# Altium PCB MATEKH743.PcbDoc (part 1 of 2)
Units mil, origin at the board's own origin, x right, y up, seen from the top; angles counter-clockwise.
Board outline 1417.32 x 1417.32 mil, 4 copper layers (Top Layer, GND, Power, Bottom Layer), stack 23.756 mil thick; 175 components, 127 nets, 521 pads, 215 vias.
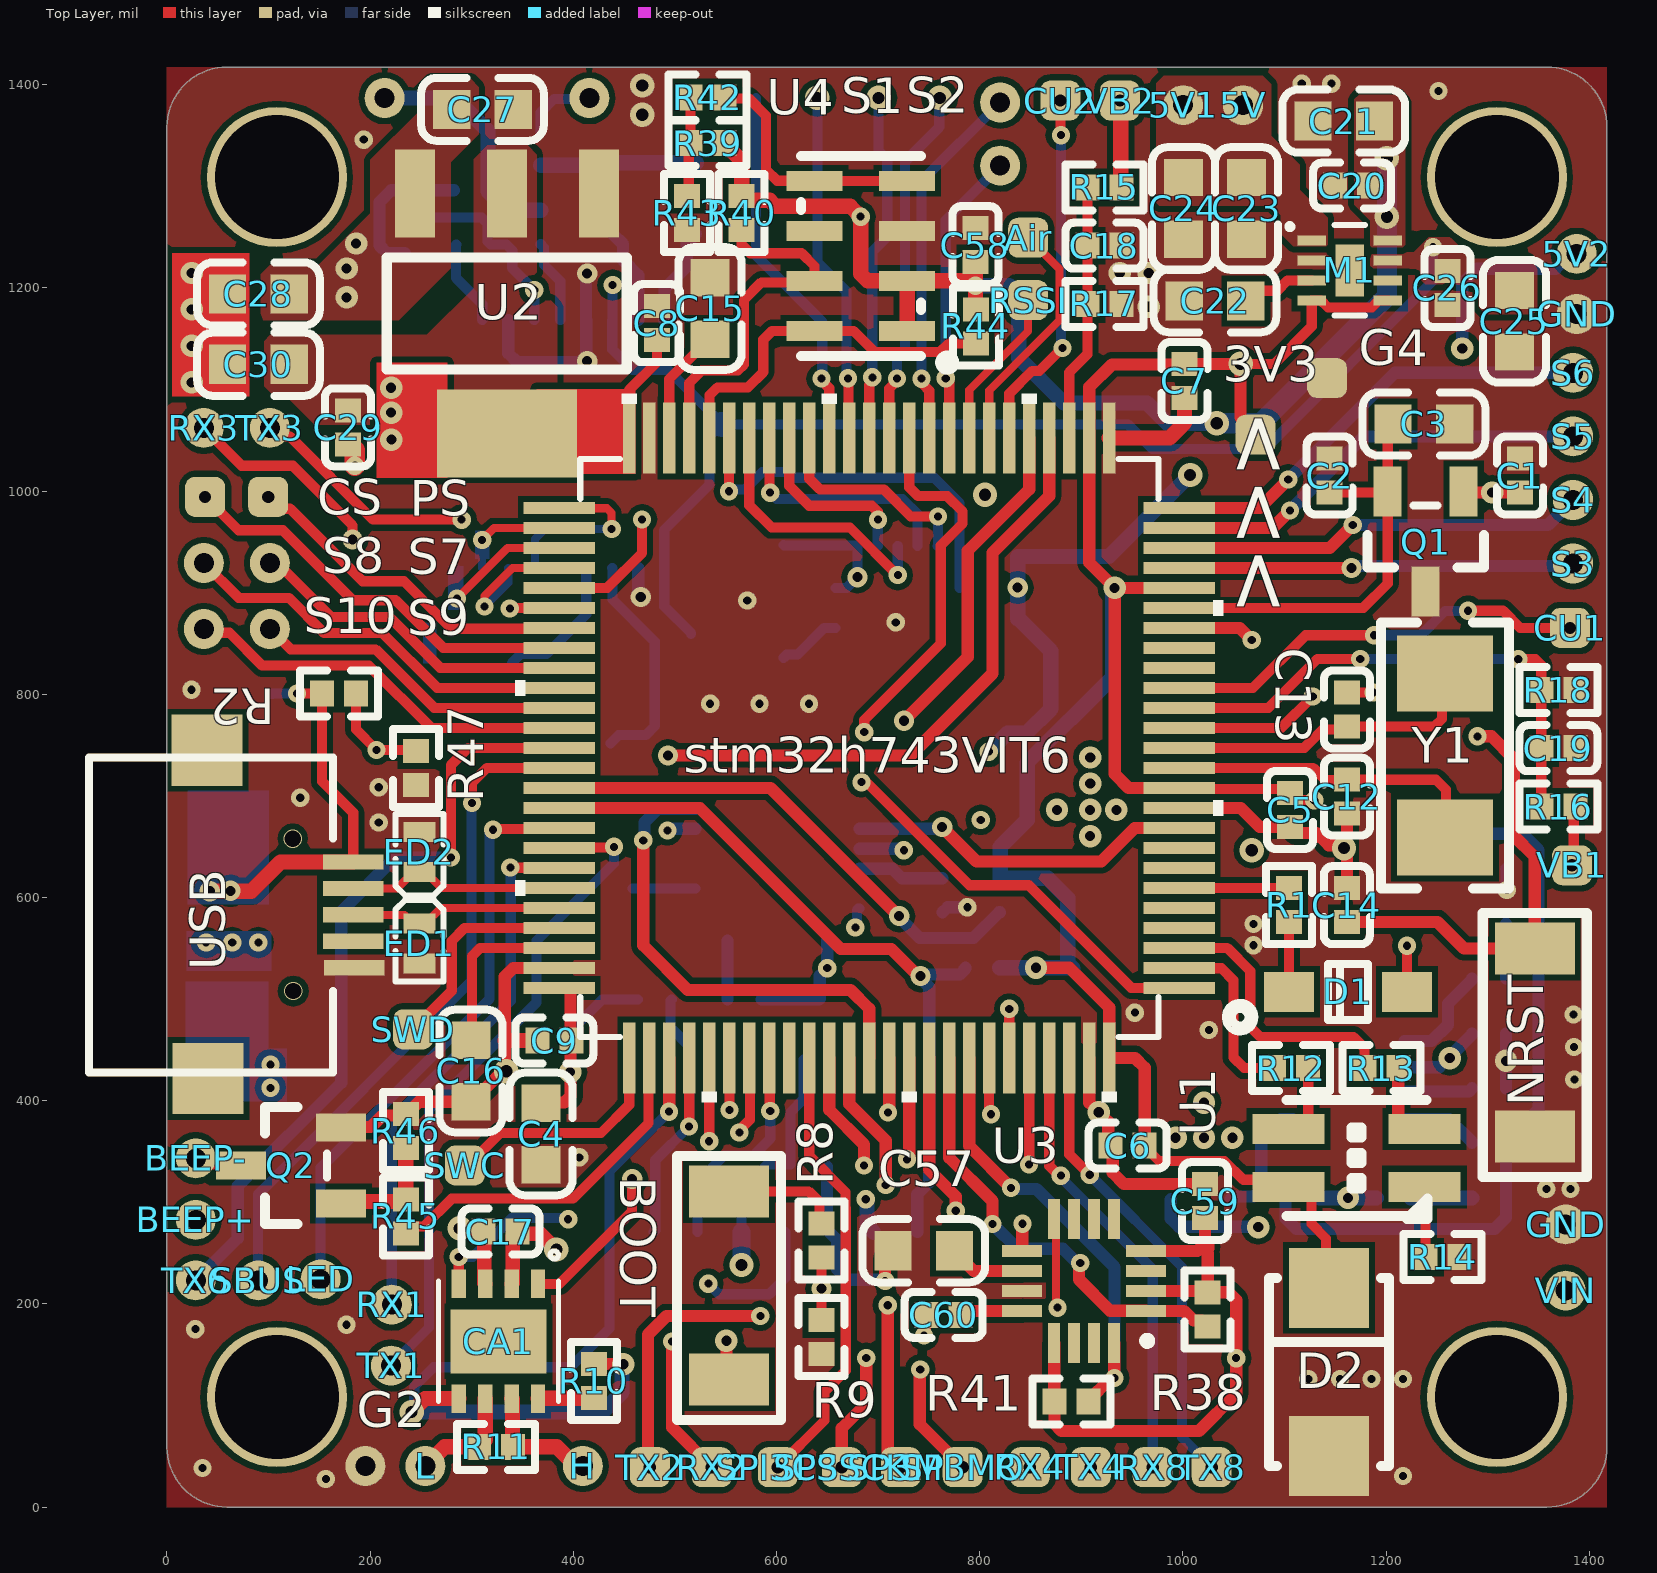
[diagram p0: Top Layer view]
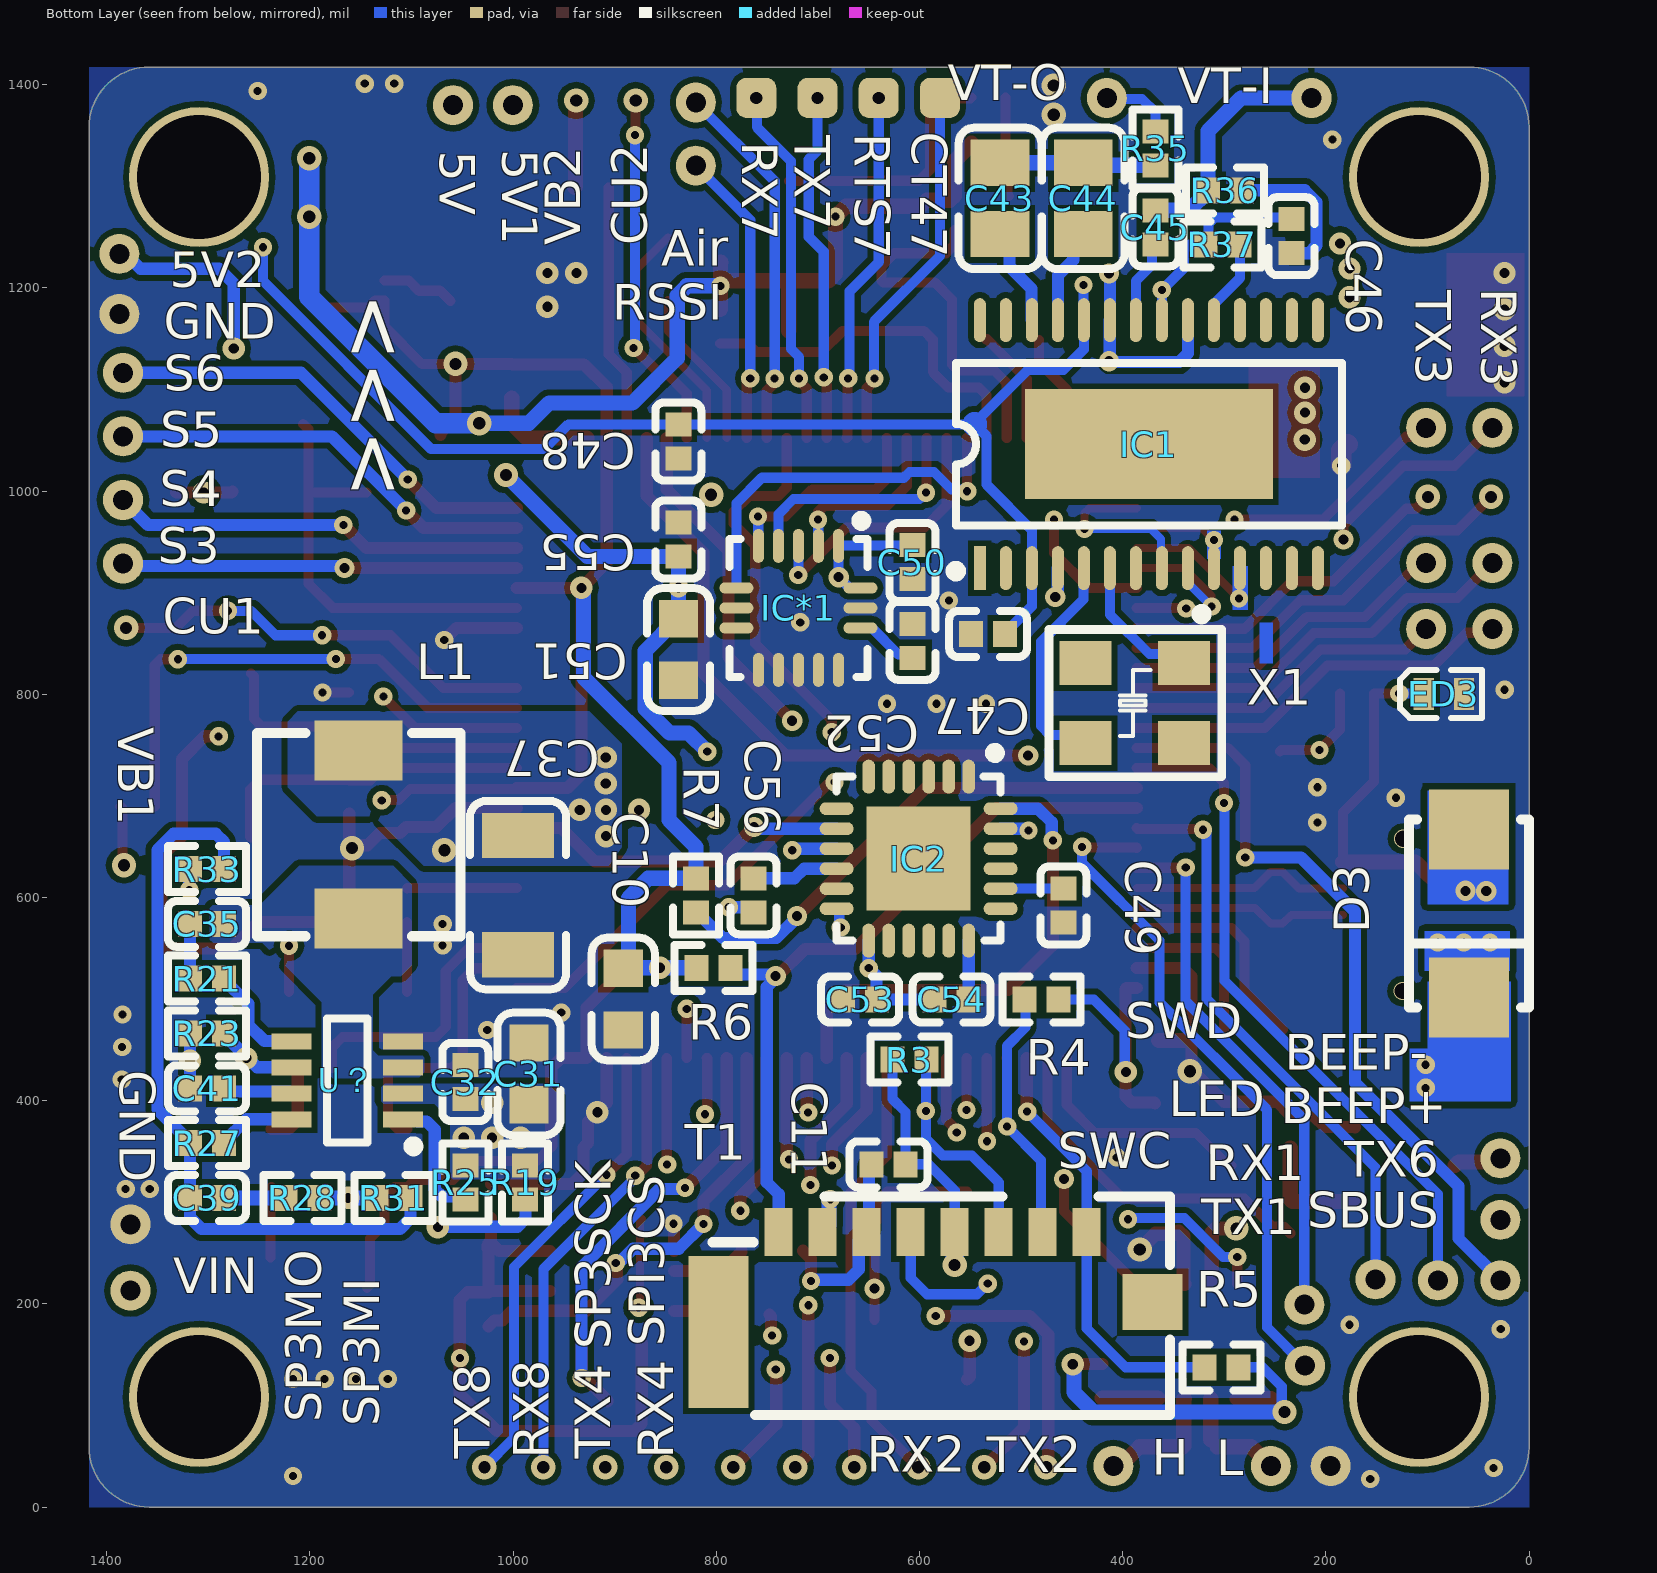
[diagram p1: Bottom Layer view, seen from below]
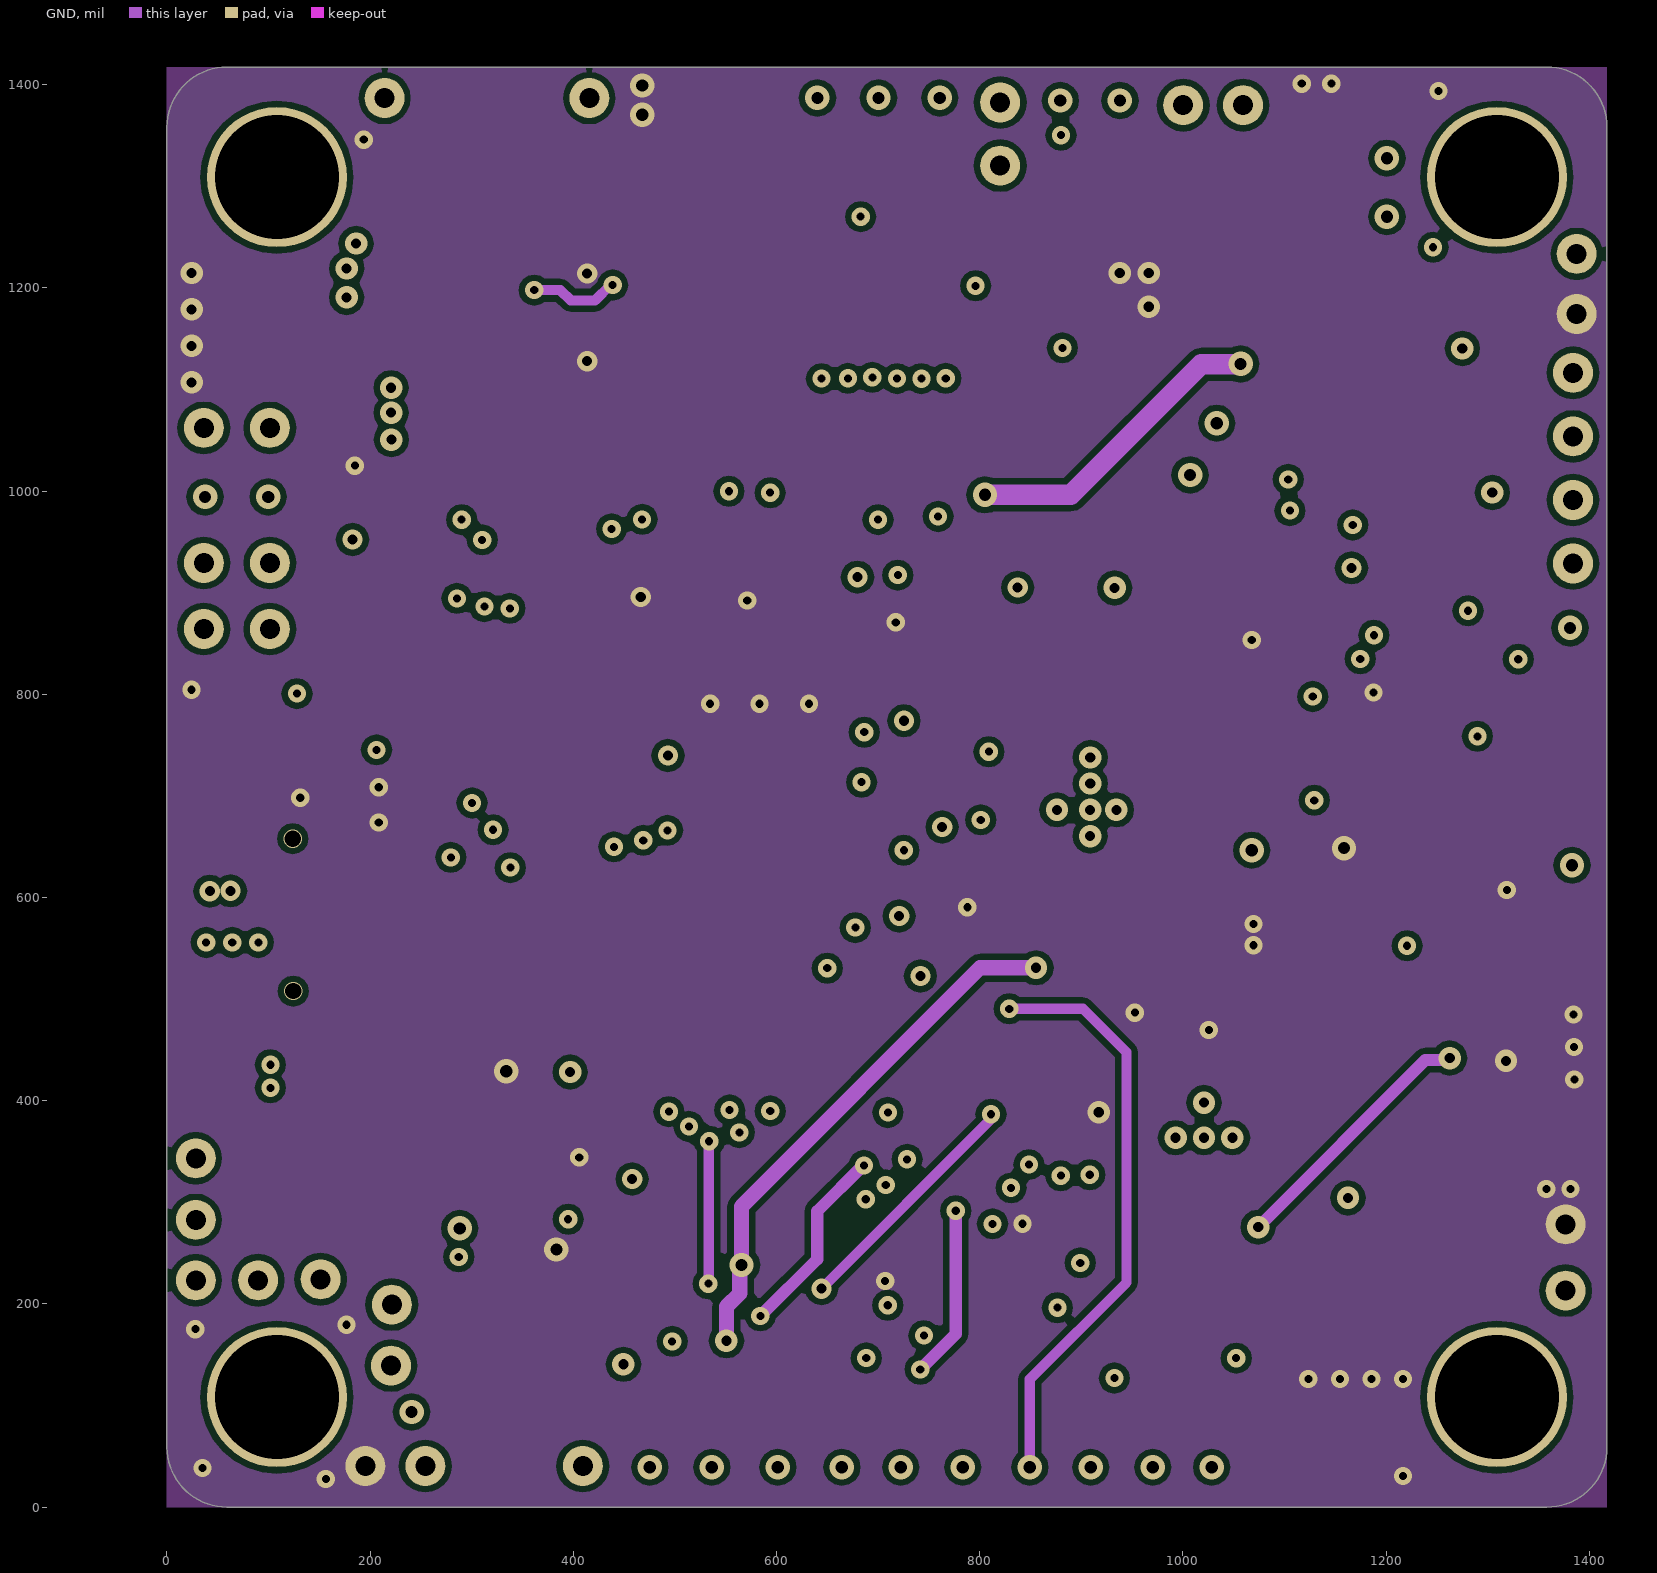
[diagram p2: GND]
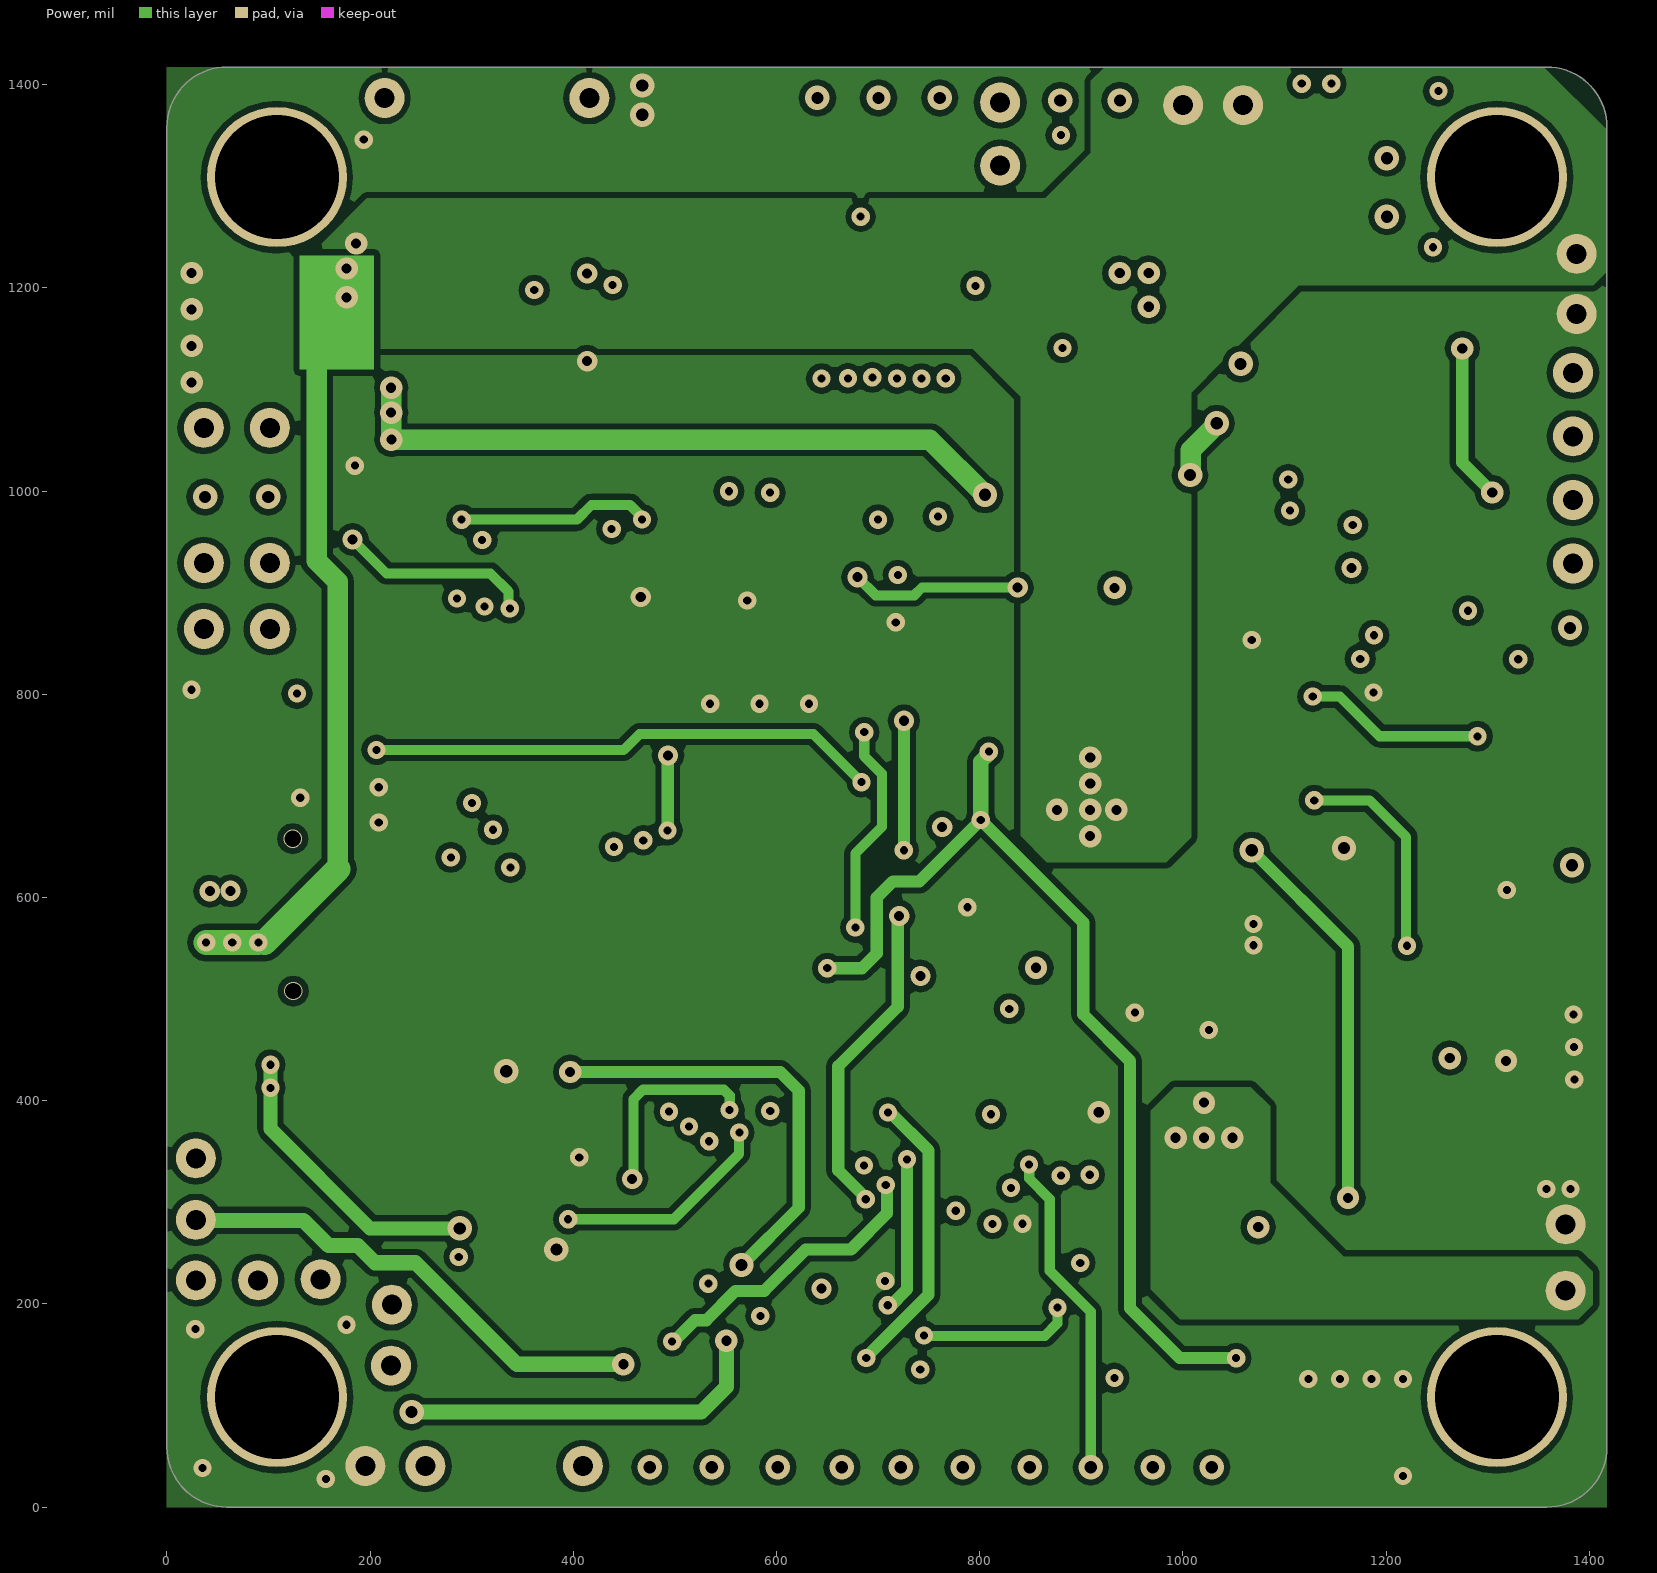
[diagram p3: Power]
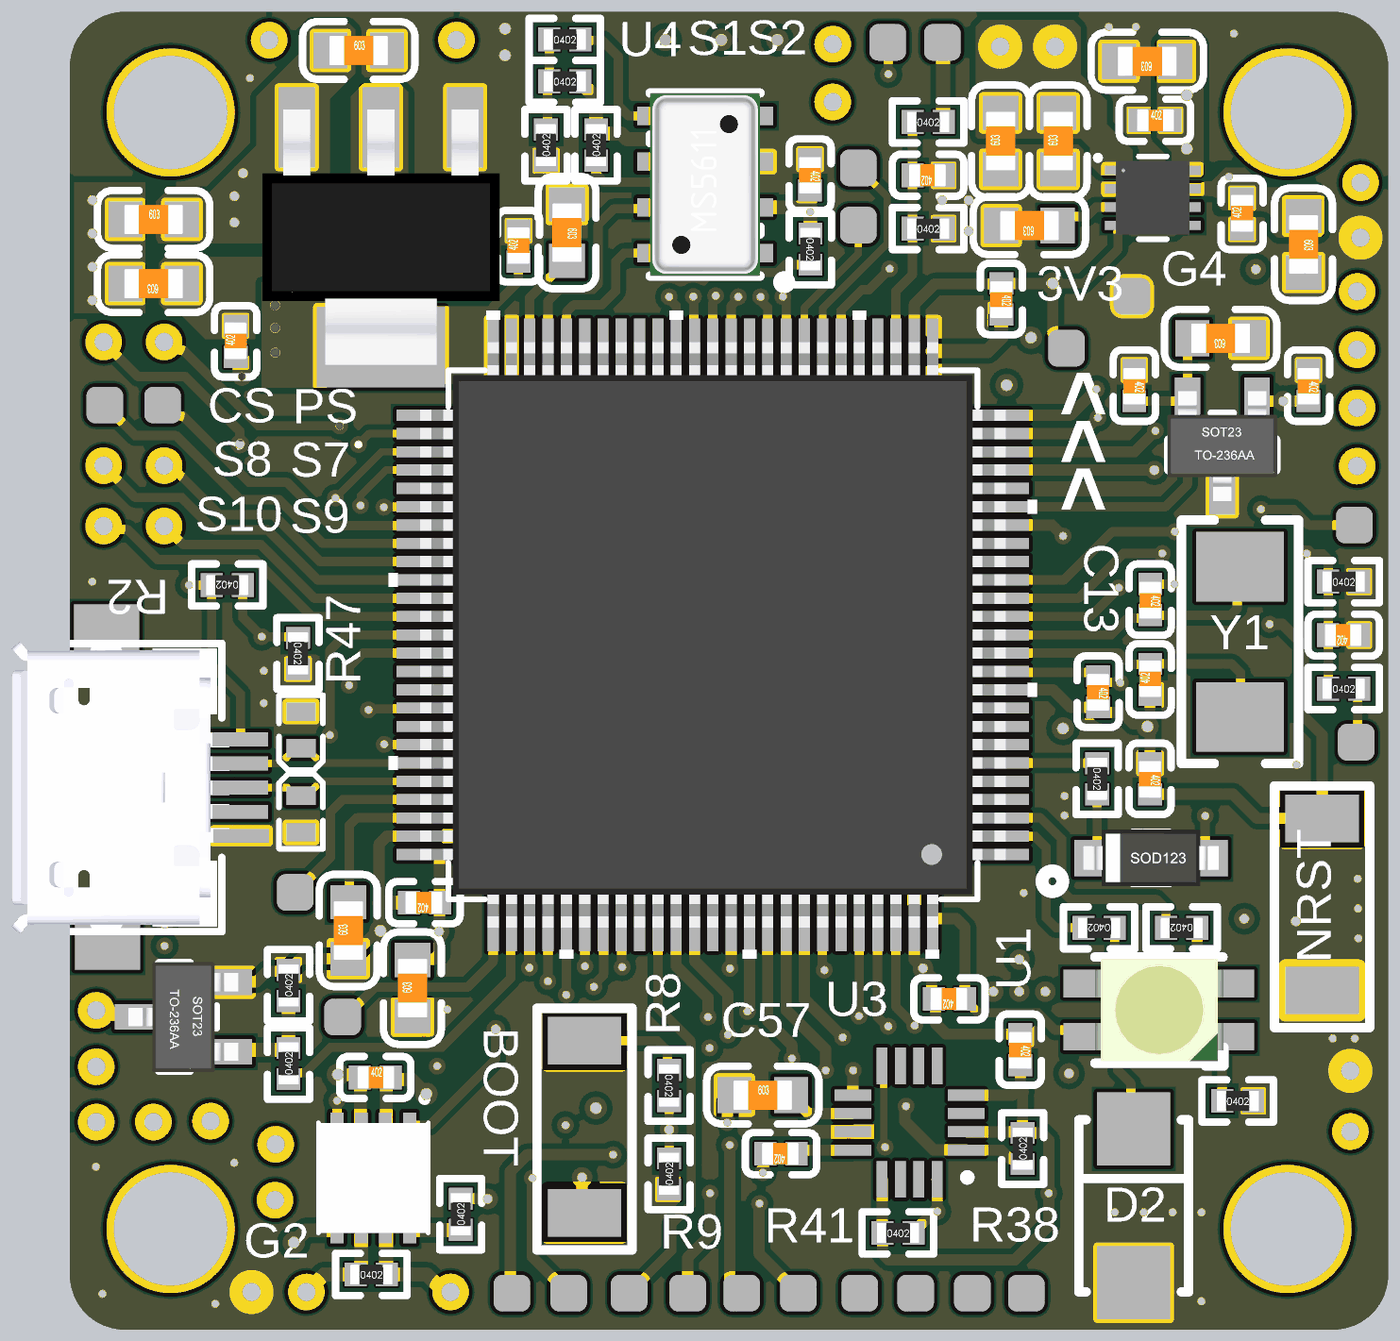
[diagram p5: 3D render of the assembled board from above, using the file's embedded part models]
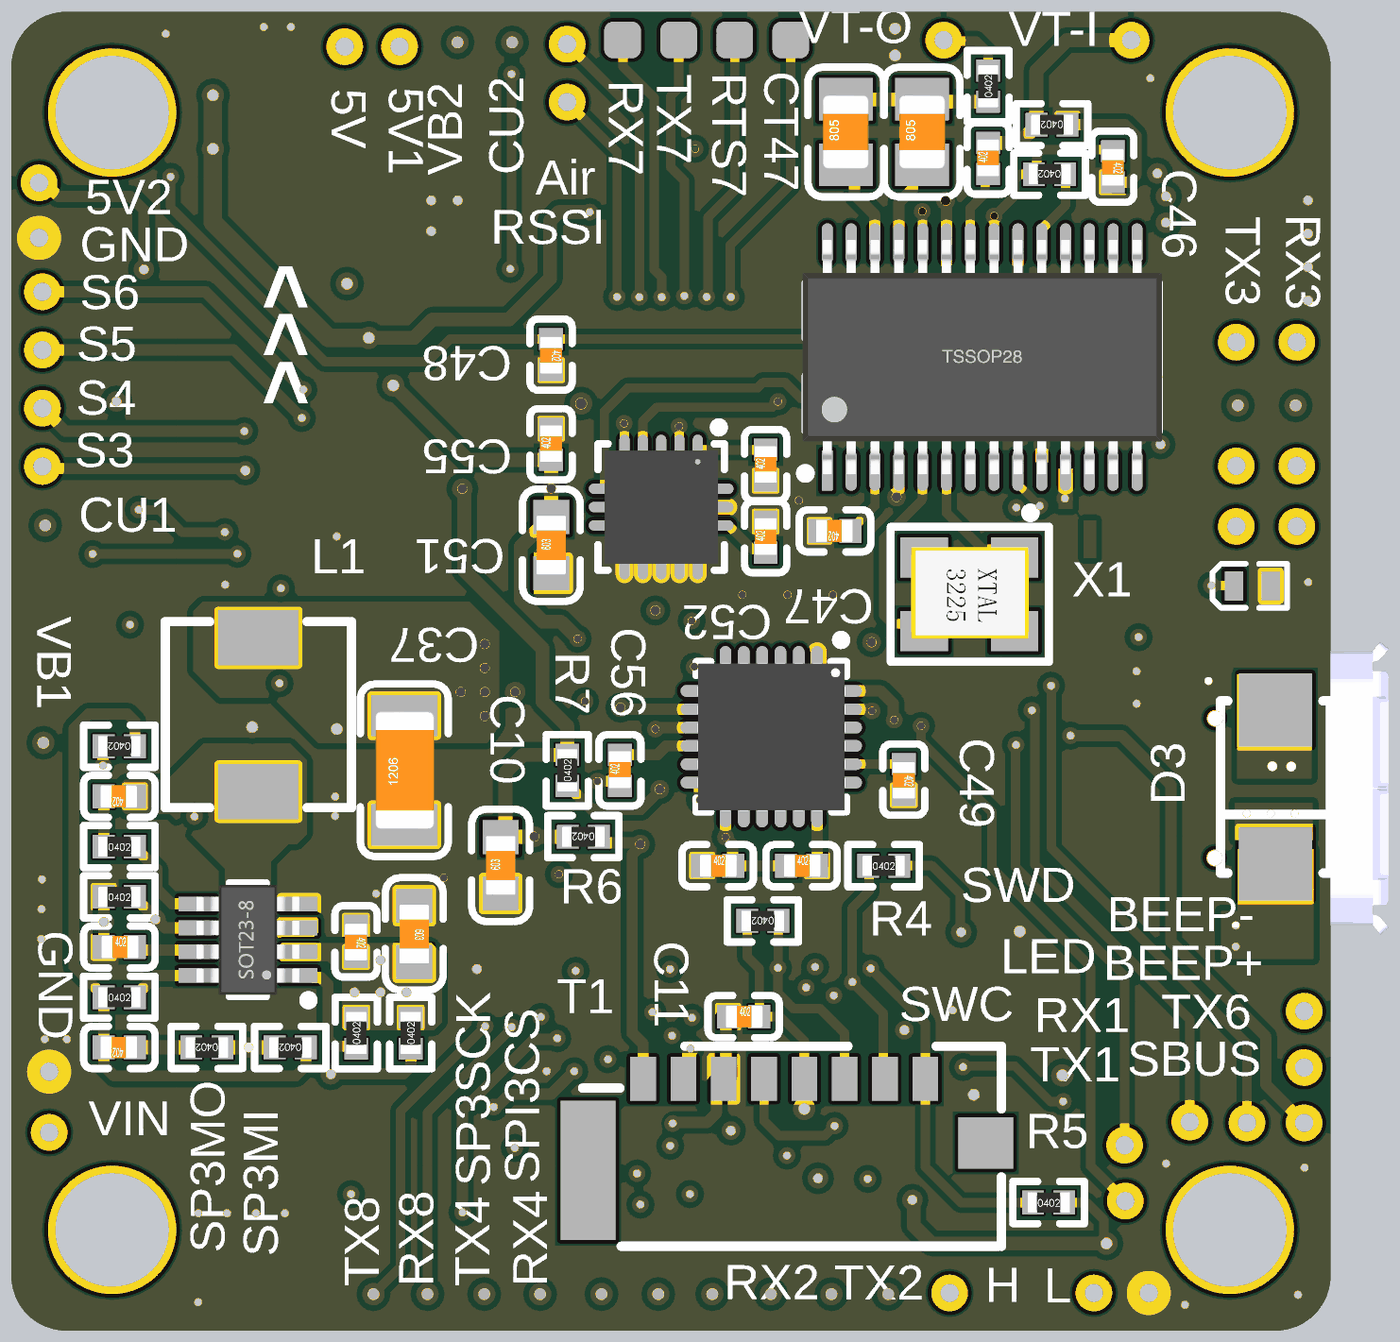
[diagram p6: 3D render of the assembled board from below, using the file's embedded part models]

## Layer stack, top to bottom
Top Solder: solder mask 0.4, Solder Resist, Dk 3.5
Top Layer: signal copper 1.4
Dielectric 2: prepreg 2.8, PP-006, Dk 4.1
GND: signal copper 1.378
Dielectric 1: dielectric 12.6, FR-4, Dk 4.8
Power: signal copper 1.378
Dielectric 3: prepreg 2.8, PP-006, Dk 4.1
Bottom Layer: signal copper 1.4
Bottom Solder: solder mask 0.4, Solder Resist, Dk 3.5

## Board outline
59.09,0.03 cw(c59.09,59.09) 0.03,59.09 0.03,1358.3 cw(c59.09,1358.3) 59.09,1417.36 1358.3,1417.36 cw(c1358.3,1358.3) 1417.36,1358.3 1417.35,59.09 1417.36,59.09 cw(c1358.3,59.09) 1358.3,0.03

## Design rules (kind name [scope] priority, off if disabled: settings)
Clearance [All] p1: gap=6 ignorepadtopadclearanceinfootprint=FALSE
ComponentClearance [All] p1: gap=0 collisioncheckmode=3 verticalgap=0 showdistances=FALSE
PlaneConnect [All] p1: planeconnectstyle=Direct reliefexpansion=20 reliefentries=4 reliefconductorwidth=10 reliefairgap=10
PolygonConnect [All] p1: connectstyle=Direct reliefconductorwidth=10 reliefentries=4 polygonreliefangle="90 Angle" airgapwidth=10
RoutingVias [All] p1: holewidth=8 width=18 viastyle="Through Hole" minholewidth=8 minwidth=18 maxholewidth=28 maxwidth=50
SolderMaskExpansion [All] p1: expansion=4 istentingtop=FALSE
Width [All] p1: maxlimit=50 minlimit=6 preferedwidth=8
28 further rules are at their usual default settings.

## Classes and differential pairs
component class 04_OSD: 3V3 5V 5V1 5V2 Air C43 C44 C45 C46 C47 C48 CS CT47 CU1 CU2 G2 G4 GND gnd IC1 PS Q2 R35 R36 R37 R45 R46 RSSI RTS7 RX2 RX4 RX7 RX8 SP3MI SP3MO SP3SCK SPI3CS SWC SWD TX2 TX4 TX7 TX8 V1 VB2 VT-I VT-O X1
component class 03_Power: C20 C21 C22 C23 C24 C25 C26 C27 C28 C29 C30 C31 C32 C35 C37 C39 C41 L1 M1 R19 R21 R23 R25 R27 R28 R31 R33 U2 U？ VIN
component class 02_Sensor: C49 C50 C51 C52 C53 C54 C55 C56 C57 C58 C59 C60 IC2 IC*1 R38 R39 R40 R41 R42 R43 R44 U3 U4
component class 01_MCU: BEEP+ BEEP- BOOT C1 C2 C3 C4 C5 C6 C7 C8 C9 C10 C11 C12 C13 C14 C15 C16 C17 C18 C19 CA1 D1 D2 D3 ED1 ED2 ED3 H L LED NRST Q1 R1 R2 R3 R4 R5 R6 R7 R8 R9 R10 R11 R12 R13 R14 R15 R16 R17 R18 R47 RX1 RX3 S1 S2 S3 S4 S5 S6 S7 S8 S9 S10 SBUS stm32h743VIT6 T1 TX1 TX3 TX6 U1 USB Y1
